# KiCad board NoU2-panelized.kicad_pcb (continued)
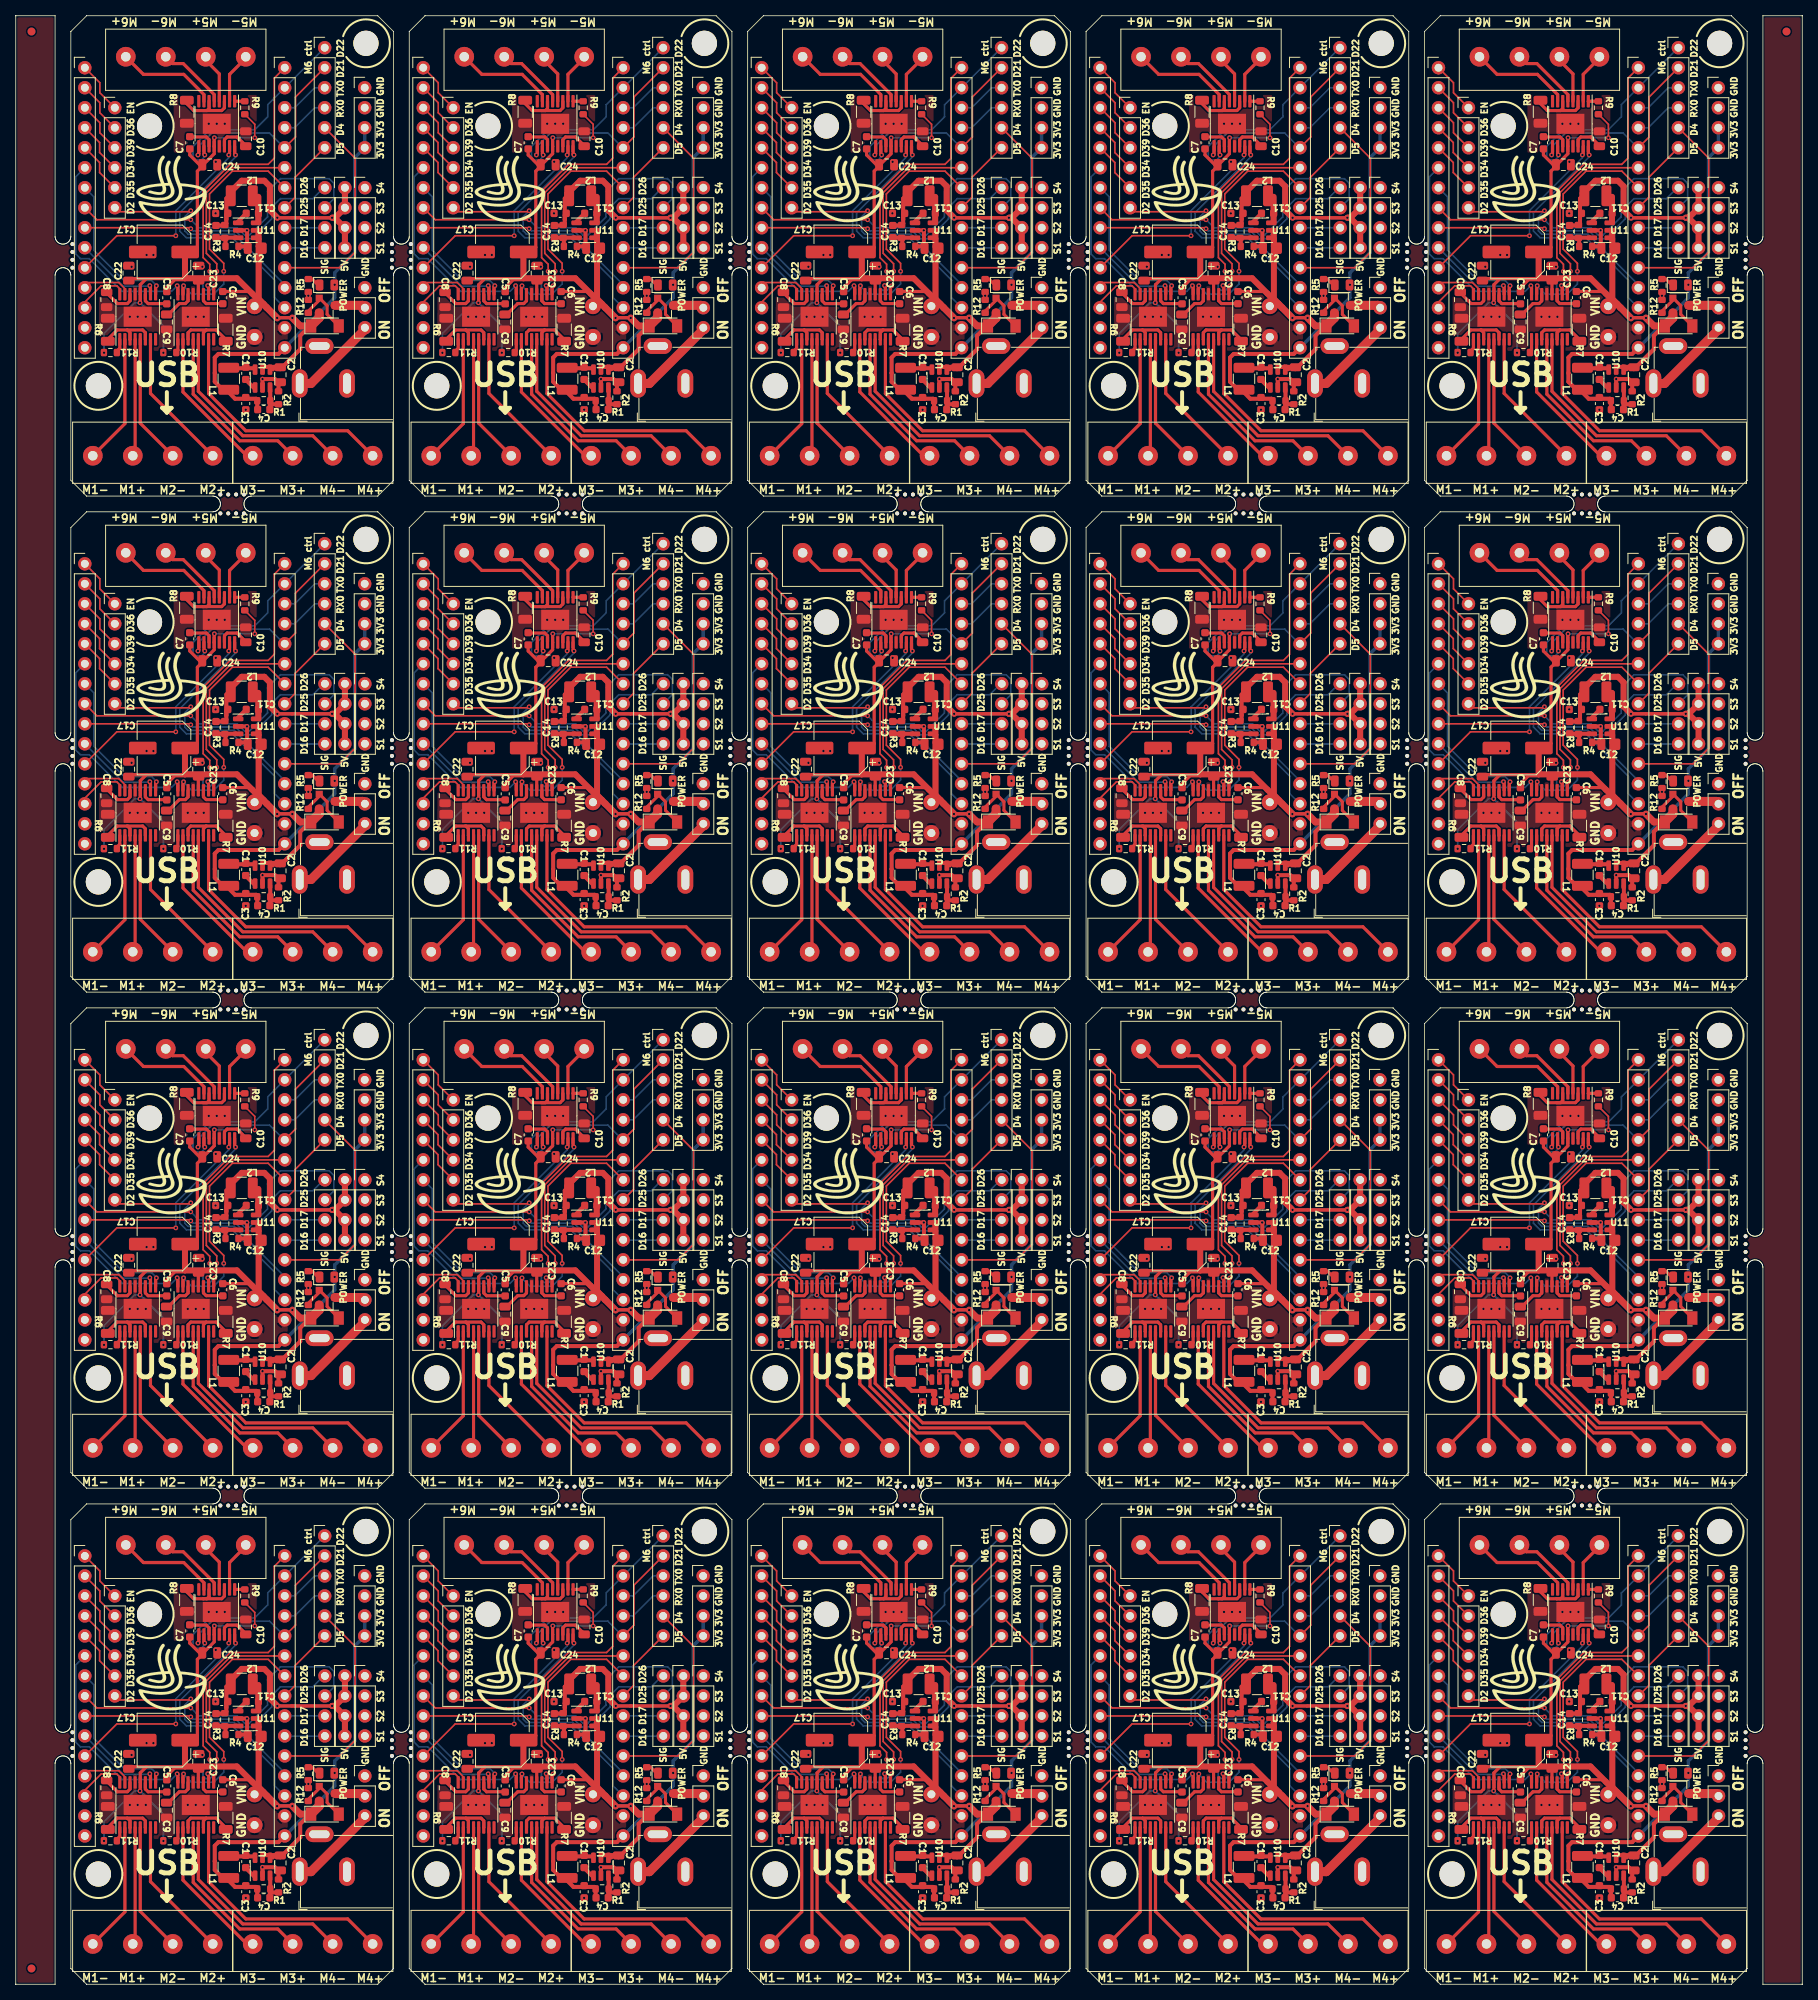
[diagram p0: board, top side]
## Nets (continued)
Board_12-unconnected-(U2-Pad8): U2#18.8
Board_12-unconnected-(U3-Pad8): U3#4.8
Board_12-unconnected-(U8-Pad1): U8#9.1
Board_12-VIN: C2#9.2 C5#5.1 C6#11.1 C7#5.1 C12#13.2 C17#16.1 C22#6.1 C23#17.1 C24#12.1 D2#2.1 J14#12.1 Q1#16.2 R9#7.2 R10#12.2 R11#19.2 U1#9.12 U2#18.12 U3#4.12 U10#19.4 U10#19.5 U11#10.4 U11#10.5
Board_13-3V3: C3#4.2 C4#11.2 D1#20.2 J3#4.3 J3#4.4 J11#5.15 L1#11.2 R1#7.1
Board_13-5V: C13#6.2 C14#11.2 J12#19.1 J12#19.2 J12#19.3 J12#19.4 L2#6.2 R3#9.1
Board_13-/D16: J2#6.4
Board_13-/D17: J2#6.3
Board_13-/D34: J4#3.4
Board_13-/D35: J4#3.5
Board_13-/D36: J4#3.2
Board_13-/D39: J4#3.3
Board_13-/EN: J4#3.1
Board_13-/Sheet6057E9B8/D16: J11#5.10
Board_13-/Sheet6057E9B8/D17: J11#5.9
Board_13-/Sheet6057E9B8/D34: J10#12.4
Board_13-/Sheet6057E9B8/D35: J10#12.5
Board_13-/Sheet6057E9B8/D36: J10#12.2
Board_13-/Sheet6057E9B8/D39: J10#12.3
Board_13-/Sheet6057E9B8/EN: J10#12.1
Board_13-/Sheet6057E9B8/EVIN: J10#12.15
Board_13-D2: J4#3.6 J11#5.12
Board_13-D4: J1.5 J11#5.11
Board_13-D5: J1.6 J11#5.8
Board_13-D25: J2#6.2 J10#12.8
Board_13-D26: J2#6.1 J10#12.9
Board_13-GND: C2#10.1 C3#4.1 C8#19.2 C9#4.2 C10#17.2 C12#2.1 C13#6.1 C17#4.2 C22#3.2 C23#18.2 C24#9.2 J3#4.1 J3#4.2 J5#13.1 J5#13.2 J5#13.3 J5#13.4 J9#12.2 J10#12.14 J11#5.14 J13#3.1 R2#9.2 R4#10.2 R5#19.1 R6#14.1 R7#14.1 R8#4.1 R12#13.2 U1#17.13 U1#17.17 U2#3.13 U2#3.17 U3#8.13 U3#8.17 U10#18.2 U11#7.2
Board_13-M1A: J10#12.13 U1#17.16
Board_13-M1B: J10#12.12 U1#17.15
Board_13-M2A: J10#12.10 U1#17.10
Board_13-M2B: J10#12.7 U1#17.9
Board_13-M3A: J10#12.6 U3#8.16
Board_13-M3B: J11#5.7 U3#8.15
Board_13-M4A: J11#5.6 U3#8.10
Board_13-M4B: J11#5.1 U3#8.9
Board_13-M5A: J11#5.13 U2#3.16
Board_13-M5B: J10#12.11 U2#3.15
Board_13-M6A: J1.1 J11#5.2 U2#3.10
Board_13-M6B: J1.2 J11#5.5 U2#3.9
Board_13-Net-(C1-Pad1): C1#14.1 L1#11.1 U10#18.6
Board_13-Net-(C1-Pad2): C1#14.2 U10#18.1
Board_13-Net-(C4-Pad1): C4#11.1 R1#7.2 R2#9.1 U10#18.3
Board_13-Net-(C5-Pad2): C5.2 U1#17.11
Board_13-Net-(C6-Pad2): C6#5.2 U3#8.11
Board_13-Net-(C7-Pad2): C7#3.2 U2#3.11
Board_13-Net-(C8-Pad1): C8#19.1 U1#17.14
Board_13-Net-(C9-Pad1): C9#4.1 U3#8.14
Board_13-Net-(C10-Pad1): C10#17.1 U2#3.14
Board_13-Net-(C11-Pad1): C11.1 L2#6.1 U11#7.6
Board_13-Net-(C11-Pad2): C11.2 U11#7.1
Board_13-Net-(C14-Pad1): C14#11.1 R3#9.2 R4#10.1 U11#7.3
Board_13-Net-(D1-Pad1): D1#20.1 R5#19.2
Board_13-Net-(D2-Pad2): D2#14.2 Q1#6.1 R12#13.1
Board_13-Net-(J6-Pad1): J6#4.1 U1#17.2
Board_13-Net-(J6-Pad2): J6#4.2 U1#17.4
Board_13-Net-(J6-Pad3): J6#4.3 U1#17.5
Board_13-Net-(J6-Pad4): J6#4.4 U1#17.7
Board_13-Net-(J7-Pad1): J7#16.1 U3#8.2
Board_13-Net-(J7-Pad2): J7#16.2 U3#8.4
Board_13-Net-(J7-Pad3): J7#16.3 U3#8.5
Board_13-Net-(J7-Pad4): J7#16.4 U3#8.7
Board_13-Net-(J8-Pad1): J8#11.1 U2#3.2
Board_13-Net-(J8-Pad2): J8#11.2 U2#3.4
Board_13-Net-(J8-Pad3): J8#11.3 U2#3.5
Board_13-Net-(J8-Pad4): J8#11.4 U2#3.7
Board_13-Net-(J9-Pad1): J9#12.1 U8#13.3
Board_13-Net-(Q1-Pad3): Q1#6.3 U8#13.2
Board_13-Net-(R6-Pad2): R6#14.2 U1#17.3 U1#17.6
Board_13-Net-(R7-Pad2): R7#14.2 U3#8.3 U3#8.6
Board_13-Net-(R8-Pad2): R8#4.2 U2#3.3 U2#3.6
Board_13-Net-(R9-Pad1): R9#15.1 U2#3.1
Board_13-Net-(R10-Pad1): R10#2.1 U3#8.1
Board_13-Net-(R11-Pad1): R11#8.1 U1#17.1
Board_13-RX0: J1.4 J11#5.4
Board_13-TX0: J1.3 J11#5.3
Board_13-unconnected-(U1-Pad8): U1#17.8
Board_13-unconnected-(U2-Pad8): U2#3.8
Board_13-unconnected-(U3-Pad8): U3#8.8
Board_13-unconnected-(U8-Pad1): U8#13.1
Board_13-VIN: C2#10.2 C5.1 C6#5.1 C7#3.1 C12#2.2 C17#4.1 C22#3.1 C23#18.1 C24#9.1 D2#14.1 J14#18.1 Q1#6.2 R9#15.2 R10#2.2 R11#8.2 U1#17.12 U2#3.12 U3#8.12 U10#18.4 U10#18.5 U11#7.4 U11#7.5
Board_14-3V3: C3#6.2 C4.2 D1#19.2 J3#16.3 J3#16.4 J11#16.15 L1.2 R1#12.1
Board_14-5V: C13#8.2 C14#12.2 J12#15.1 J12#15.2 J12#15.3 J12#15.4 L2#19.2 R3#20.1
Board_14-/D16: J2#2.4
Board_14-/D17: J2#2.3
Board_14-/D34: J4#12.4
Board_14-/D35: J4#12.5
Board_14-/D36: J4#12.2
Board_14-/D39: J4#12.3
Board_14-/EN: J4#12.1
Board_14-/Sheet6057E9B8/D16: J11#16.10
Board_14-/Sheet6057E9B8/D17: J11#16.9
Board_14-/Sheet6057E9B8/D34: J10#2.4
Board_14-/Sheet6057E9B8/D35: J10#2.5
Board_14-/Sheet6057E9B8/D36: J10#2.2
Board_14-/Sheet6057E9B8/D39: J10#2.3
Board_14-/Sheet6057E9B8/EN: J10#2.1
Board_14-/Sheet6057E9B8/EVIN: J10#2.15
Board_14-D2: J4#12.6 J11#16.12
Board_14-D4: J1#9.5 J11#16.11
Board_14-D5: J1#9.6 J11#16.8
Board_14-D25: J2#2.2 J10#2.8
Board_14-D26: J2#2.1 J10#2.9
Board_14-GND: C2#4.1 C3#6.1 C8#3.2 C9#20.2 C10#12.2 C12#19.1 C13#8.1 C17#20.2 C22#15.2 C23#16.2 C24#7.2 J3#16.1 J3#16.2 J5#17.1 J5#17.2 J5#17.3 J5#17.4 J9#13.2 J10#2.14 J11#16.14 J13#13.1 R2#15.2 R4#11.2 R5#14.1 R6#20.1 R7#13.1 R8#10.1 R12#9.2 U1#8.13 U1#8.17 U2#9.13 U2#9.17 U3#17.13 U3#17.17 U10#3.2 U11#14.2
Board_14-M1A: J10#2.13 U1#8.16
Board_14-M1B: J10#2.12 U1#8.15
Board_14-M2A: J10#2.10 U1#8.10
Board_14-M2B: J10#2.7 U1#8.9
Board_14-M3A: J10#2.6 U3#17.16
Board_14-M3B: J11#16.7 U3#17.15
Board_14-M4A: J11#16.6 U3#17.10
Board_14-M4B: J11#16.1 U3#17.9
Board_14-M5A: J11#16.13 U2#9.16
Board_14-M5B: J10#2.11 U2#9.15
Board_14-M6A: J1#9.1 J11#16.2 U2#9.10
Board_14-M6B: J1#9.2 J11#16.5 U2#9.9
Board_14-Net-(C1-Pad1): C1#6.1 L1.1 U10#3.6
Board_14-Net-(C1-Pad2): C1#6.2 U10#3.1
Board_14-Net-(C4-Pad1): C4.1 R1#12.2 R2#15.1 U10#3.3
Board_14-Net-(C5-Pad2): C5#17.2 U1#8.11
Board_14-Net-(C6-Pad2): C6#2.2 U3#17.11
Board_14-Net-(C7-Pad2): C7#8.2 U2#9.11
Board_14-Net-(C8-Pad1): C8#3.1 U1#8.14
Board_14-Net-(C9-Pad1): C9#20.1 U3#17.14
Board_14-Net-(C10-Pad1): C10#12.1 U2#9.14
Board_14-Net-(C11-Pad1): C11#6.1 L2#19.1 U11#14.6
Board_14-Net-(C11-Pad2): C11#6.2 U11#14.1
Board_14-Net-(C14-Pad1): C14#12.1 R3#20.2 R4#11.1 U11#14.3
Board_14-Net-(D1-Pad1): D1#19.1 R5#14.2
Board_14-Net-(D2-Pad2): D2#7.2 Q1#8.1 R12#9.1
Board_14-Net-(J6-Pad1): J6#3.1 U1#8.2
Board_14-Net-(J6-Pad2): J6#3.2 U1#8.4
Board_14-Net-(J6-Pad3): J6#3.3 U1#8.5
Board_14-Net-(J6-Pad4): J6#3.4 U1#8.7
Board_14-Net-(J7-Pad1): J7#14.1 U3#17.2
Board_14-Net-(J7-Pad2): J7#14.2 U3#17.4
Board_14-Net-(J7-Pad3): J7#14.3 U3#17.5
Board_14-Net-(J7-Pad4): J7#14.4 U3#17.7
Board_14-Net-(J8-Pad1): J8#13.1 U2#9.2
Board_14-Net-(J8-Pad2): J8#13.2 U2#9.4
Board_14-Net-(J8-Pad3): J8#13.3 U2#9.5
Board_14-Net-(J8-Pad4): J8#13.4 U2#9.7
Board_14-Net-(J9-Pad1): J9#13.1 U8#5.3
Board_14-Net-(Q1-Pad3): Q1#8.3 U8#5.2
Board_14-Net-(R6-Pad2): R6#20.2 U1#8.3 U1#8.6
Board_14-Net-(R7-Pad2): R7#13.2 U3#17.3 U3#17.6
Board_14-Net-(R8-Pad2): R8#10.2 U2#9.3 U2#9.6
Board_14-Net-(R9-Pad1): R9#20.1 U2#9.1
Board_14-Net-(R10-Pad1): R10#9.1 U3#17.1
Board_14-Net-(R11-Pad1): R11#13.1 U1#8.1
Board_14-RX0: J1#9.4 J11#16.4
Board_14-TX0: J1#9.3 J11#16.3
Board_14-unconnected-(U1-Pad8): U1#8.8
Board_14-unconnected-(U2-Pad8): U2#9.8
Board_14-unconnected-(U3-Pad8): U3#17.8
Board_14-unconnected-(U8-Pad1): U8#5.1
Board_14-VIN: C2#4.2 C5#17.1 C6#2.1 C7#8.1 C12#19.2 C17#20.1 C22#15.1 C23#16.1 C24#7.1 D2#7.1 J14#5.1 Q1#8.2 R9#20.2 R10#9.2 R11#13.2 U1#8.12 U2#9.12 U3#17.12 U10#3.4 U10#3.5 U11#14.4 U11#14.5
Board_15-3V3: C3#20.2 C4#10.2 D1#13.2 J3#8.3 J3#8.4 J11#10.15 L1#10.2 R1#10.1
Board_15-5V: C13#9.2 C14#5.2 J12#14.1 J12#14.2 J12#14.3 J12#14.4 L2#13.2 R3#16.1
Board_15-/D16: J2.4
Board_15-/D17: J2.3
Board_15-/D34: J4#14.4
Board_15-/D35: J4#14.5
Board_15-/D36: J4#14.2
Board_15-/D39: J4#14.3
Board_15-/EN: J4#14.1
Board_15-/Sheet6057E9B8/D16: J11#10.10
Board_15-/Sheet6057E9B8/D17: J11#10.9
Board_15-/Sheet6057E9B8/D34: J10#13.4
Board_15-/Sheet6057E9B8/D35: J10#13.5
Board_15-/Sheet6057E9B8/D36: J10#13.2
Board_15-/Sheet6057E9B8/D39: J10#13.3
Board_15-/Sheet6057E9B8/EN: J10#13.1
Board_15-/Sheet6057E9B8/EVIN: J10#13.15
Board_15-D2: J4#14.6 J11#10.12
Board_15-D4: J1#8.5 J11#10.11
Board_15-D5: J1#8.6 J11#10.8
Board_15-D25: J2.2 J10#13.8
Board_15-D26: J2.1 J10#13.9
Board_15-GND: C2#17.1 C3#20.1 C8#11.2 C9#5.2 C10#11.2 C12#5.1 C13#9.1 C17#10.2 C22#17.2 C23#3.2 C24#4.2 J3#8.1 J3#8.2 J5#14.1 J5#14.2 J5#14.3 J5#14.4 J9#19.2 J10#13.14 J11#10.14 J13#14.1 R2#6.2 R4.2 R5.1 R6#5.1 R7#5.1 R8#3.1 R12#14.2 U1#5.13 U1#5.17 U2#17.13 U2#17.17 U3.13 U3.17 U10#20.2 U11#4.2
Board_15-M1A: J10#13.13 U1#5.16
Board_15-M1B: J10#13.12 U1#5.15
Board_15-M2A: J10#13.10 U1#5.10
Board_15-M2B: J10#13.7 U1#5.9
Board_15-M3A: J10#13.6 U3.16
Board_15-M3B: J11#10.7 U3.15
Board_15-M4A: J11#10.6 U3.10
Board_15-M4B: J11#10.1 U3.9
Board_15-M5A: J11#10.13 U2#17.16
Board_15-M5B: J10#13.11 U2#17.15
Board_15-M6A: J1#8.1 J11#10.2 U2#17.10
Board_15-M6B: J1#8.2 J11#10.5 U2#17.9
Board_15-Net-(C1-Pad1): C1#8.1 L1#10.1 U10#20.6
Board_15-Net-(C1-Pad2): C1#8.2 U10#20.1
Board_15-Net-(C4-Pad1): C4#10.1 R1#10.2 R2#6.1 U10#20.3
Board_15-Net-(C5-Pad2): C5#13.2 U1#5.11
Board_15-Net-(C6-Pad2): C6#19.2 U3.11
Board_15-Net-(C7-Pad2): C7#7.2 U2#17.11
Board_15-Net-(C8-Pad1): C8#11.1 U1#5.14
Board_15-Net-(C9-Pad1): C9#5.1 U3.14
Board_15-Net-(C10-Pad1): C10#11.1 U2#17.14
Board_15-Net-(C11-Pad1): C11#7.1 L2#13.1 U11#4.6
Board_15-Net-(C11-Pad2): C11#7.2 U11#4.1
Board_15-Net-(C14-Pad1): C14#5.1 R3#16.2 R4.1 U11#4.3
Board_15-Net-(D1-Pad1): D1#13.1 R5.2
Board_15-Net-(D2-Pad2): D2#6.2 Q1#17.1 R12#14.1
Board_15-Net-(J6-Pad1): J6#13.1 U1#5.2
Board_15-Net-(J6-Pad2): J6#13.2 U1#5.4
Board_15-Net-(J6-Pad3): J6#13.3 U1#5.5
Board_15-Net-(J6-Pad4): J6#13.4 U1#5.7
Board_15-Net-(J7-Pad1): J7.1 U3.2
Board_15-Net-(J7-Pad2): J7.2 U3.4
Board_15-Net-(J7-Pad3): J7.3 U3.5
Board_15-Net-(J7-Pad4): J7.4 U3.7
Board_15-Net-(J8-Pad1): J8#5.1 U2#17.2
Board_15-Net-(J8-Pad2): J8#5.2 U2#17.4
Board_15-Net-(J8-Pad3): J8#5.3 U2#17.5
Board_15-Net-(J8-Pad4): J8#5.4 U2#17.7
Board_15-Net-(J9-Pad1): J9#19.1 U8#20.3
Board_15-Net-(Q1-Pad3): Q1#17.3 U8#20.2
Board_15-Net-(R6-Pad2): R6#5.2 U1#5.3 U1#5.6
Board_15-Net-(R7-Pad2): R7#5.2 U3.3 U3.6
Board_15-Net-(R8-Pad2): R8#3.2 U2#17.3 U2#17.6
Board_15-Net-(R9-Pad1): R9#14.1 U2#17.1
Board_15-Net-(R10-Pad1): R10#20.1 U3.1
Board_15-Net-(R11-Pad1): R11#10.1 U1#5.1
Board_15-RX0: J1#8.4 J11#10.4
Board_15-TX0: J1#8.3 J11#10.3
Board_15-unconnected-(U1-Pad8): U1#5.8
Board_15-unconnected-(U2-Pad8): U2#17.8
Board_15-unconnected-(U3-Pad8): U3.8
Board_15-unconnected-(U8-Pad1): U8#20.1
Board_15-VIN: C2#17.2 C5#13.1 C6#19.1 C7#7.1 C12#5.2 C17#10.1 C22#17.1 C23#3.1 C24#4.1 D2#6.1 J14#14.1 Q1#17.2 R9#14.2 R10#20.2 R11#10.2 U1#5.12 U2#17.12 U3.12 U10#20.4 U10#20.5 U11#4.4 U11#4.5
Board_16-3V3: C3#5.2 C4#8.2 D1#4.2 J3#19.3 J3#19.4 J11#20.15 L1#13.2 R1#2.1
Board_16-5V: C13#15.2 C14#20.2 J12#12.1 J12#12.2 J12#12.3 J12#12.4 L2#18.2 R3#3.1
Board_16-/D16: J2#17.4
Board_16-/D17: J2#17.3
Board_16-/D34: J4#10.4
Board_16-/D35: J4#10.5
Board_16-/D36: J4#10.2
Board_16-/D39: J4#10.3
Board_16-/EN: J4#10.1
Board_16-/Sheet6057E9B8/D16: J11#20.10
Board_16-/Sheet6057E9B8/D17: J11#20.9
Board_16-/Sheet6057E9B8/D34: J10#19.4
Board_16-/Sheet6057E9B8/D35: J10#19.5
Board_16-/Sheet6057E9B8/D36: J10#19.2
Board_16-/Sheet6057E9B8/D39: J10#19.3
Board_16-/Sheet6057E9B8/EN: J10#19.1
Board_16-/Sheet6057E9B8/EVIN: J10#19.15
Board_16-D2: J4#10.6 J11#20.12
Board_16-D4: J1#15.5 J11#20.11
Board_16-D5: J1#15.6 J11#20.8
Board_16-D25: J2#17.2 J10#19.8
Board_16-D26: J2#17.1 J10#19.9
Board_16-GND: C2#5.1 C3#5.1 C8.2 C9#9.2 C10#9.2 C12#14.1 C13#15.1 C17#9.2 C22#11.2 C23#13.2 C24#13.2 J3#19.1 J3#19.2 J5#6.1 J5#6.2 J5#6.3 J5#6.4 J9#4.2 J10#19.14 J11#20.14 J13#11.1 R2#14.2 R4#19.2 R5#8.1 R6#2.1 R7#11.1 R8#20.1 R12#3.2 U1#19.13 U1#19.17 U2.13 U2.17 U3#7.13 U3#7.17 U10#12.2 U11#13.2
Board_16-M1A: J10#19.13 U1#19.16
Board_16-M1B: J10#19.12 U1#19.15
Board_16-M2A: J10#19.10 U1#19.10
Board_16-M2B: J10#19.7 U1#19.9
Board_16-M3A: J10#19.6 U3#7.16
Board_16-M3B: J11#20.7 U3#7.15
Board_16-M4A: J11#20.6 U3#7.10
Board_16-M4B: J11#20.1 U3#7.9
Board_16-M5A: J11#20.13 U2.16
Board_16-M5B: J10#19.11 U2.15
Board_16-M6A: J1#15.1 J11#20.2 U2.10
Board_16-M6B: J1#15.2 J11#20.5 U2.9
Board_16-Net-(C1-Pad1): C1#9.1 L1#13.1 U10#12.6
Board_16-Net-(C1-Pad2): C1#9.2 U10#12.1
Board_16-Net-(C4-Pad1): C4#8.1 R1#2.2 R2#14.1 U10#12.3
Board_16-Net-(C5-Pad2): C5#15.2 U1#19.11
Board_16-Net-(C6-Pad2): C6#18.2 U3#7.11
Board_16-Net-(C7-Pad2): C7#2.2 U2.11
Board_16-Net-(C8-Pad1): C8.1 U1#19.14
Board_16-Net-(C9-Pad1): C9#9.1 U3#7.14
Board_16-Net-(C10-Pad1): C10#9.1 U2.14
Board_16-Net-(C11-Pad1): C11#8.1 L2#18.1 U11#13.6
Board_16-Net-(C11-Pad2): C11#8.2 U11#13.1
Board_16-Net-(C14-Pad1): C14#20.1 R3#3.2 R4#19.1 U11#13.3
Board_16-Net-(D1-Pad1): D1#4.1 R5#8.2
Board_16-Net-(D2-Pad2): D2#16.2 Q1#19.1 R12#3.1
Board_16-Net-(J6-Pad1): J6#7.1 U1#19.2
Board_16-Net-(J6-Pad2): J6#7.2 U1#19.4
Board_16-Net-(J6-Pad3): J6#7.3 U1#19.5
Board_16-Net-(J6-Pad4): J6#7.4 U1#19.7
Board_16-Net-(J7-Pad1): J7#2.1 U3#7.2
Board_16-Net-(J7-Pad2): J7#2.2 U3#7.4
Board_16-Net-(J7-Pad3): J7#2.3 U3#7.5
Board_16-Net-(J7-Pad4): J7#2.4 U3#7.7
Board_16-Net-(J8-Pad1): J8#20.1 U2.2
Board_16-Net-(J8-Pad2): J8#20.2 U2.4
Board_16-Net-(J8-Pad3): J8#20.3 U2.5
Board_16-Net-(J8-Pad4): J8#20.4 U2.7
Board_16-Net-(J9-Pad1): J9#4.1 U8#14.3
Board_16-Net-(Q1-Pad3): Q1#19.3 U8#14.2
Board_16-Net-(R6-Pad2): R6#2.2 U1#19.3 U1#19.6
Board_16-Net-(R7-Pad2): R7#11.2 U3#7.3 U3#7.6
Board_16-Net-(R8-Pad2): R8#20.2 U2.3 U2.6
Board_16-Net-(R9-Pad1): R9#11.1 U2.1
Board_16-Net-(R10-Pad1): R10#7.1 U3#7.1
Board_16-Net-(R11-Pad1): R11#4.1 U1#19.1
Board_16-RX0: J1#15.4 J11#20.4
Board_16-TX0: J1#15.3 J11#20.3
Board_16-unconnected-(U1-Pad8): U1#19.8
Board_16-unconnected-(U2-Pad8): U2.8
Board_16-unconnected-(U3-Pad8): U3#7.8
Board_16-unconnected-(U8-Pad1): U8#14.1
Board_16-VIN: C2#5.2 C5#15.1 C6#18.1 C7#2.1 C12#14.2 C17#9.1 C22#11.1 C23#13.1 C24#13.1 D2#16.1 J14#16.1 Q1#19.2 R9#11.2 R10#7.2 R11#4.2 U1#19.12 U2.12 U3#7.12 U10#12.4 U10#12.5 U11#13.4 U11#13.5
Board_17-3V3: C3#17.2 C4#7.2 D1#2.2 J3#11.3 J3#11.4 J11#3.15 L1#16.2 R1#9.1
Board_17-5V: C13#4.2 C14#17.2 J12#17.1 J12#17.2 J12#17.3 J12#17.4 L2#8.2 R3#10.1
Board_17-/D16: J2#19.4
Board_17-/D17: J2#19.3
Board_17-/D34: J4#16.4
Board_17-/D35: J4#16.5
Board_17-/D36: J4#16.2
Board_17-/D39: J4#16.3
Board_17-/EN: J4#16.1
Board_17-/Sheet6057E9B8/D16: J11#3.10
Board_17-/Sheet6057E9B8/D17: J11#3.9
Board_17-/Sheet6057E9B8/D34: J10#14.4
Board_17-/Sheet6057E9B8/D35: J10#14.5
Board_17-/Sheet6057E9B8/D36: J10#14.2
Board_17-/Sheet6057E9B8/D39: J10#14.3
Board_17-/Sheet6057E9B8/EN: J10#14.1
Board_17-/Sheet6057E9B8/EVIN: J10#14.15
Board_17-D2: J4#16.6 J11#3.12
Board_17-D4: J1#19.5 J11#3.11
Board_17-D5: J1#19.6 J11#3.8
Board_17-D25: J2#19.2 J10#14.8
Board_17-D26: J2#19.1 J10#14.9
Board_17-GND: C2#16.1 C3#17.1 C8#5.2 C9#19.2 C10#15.2 C12#20.1 C13#4.1 C17#13.2 C22#8.2 C23#6.2 C24#16.2 J3#11.1 J3#11.2 J5#8.1 J5#8.2 J5#8.3 J5#8.4 J9#20.2 J10#14.14 J11#3.14 J13#19.1 R2#5.2 R4#9.2 R5#12.1 R6#17.1 R7#12.1 R8#13.1 R12#15.2 U1#15.13 U1#15.17 U2#11.13 U2#11.17 U3#6.13 U3#6.17 U10#7.2 U11#12.2
Board_17-M1A: J10#14.13 U1#15.16
Board_17-M1B: J10#14.12 U1#15.15
Board_17-M2A: J10#14.10 U1#15.10
Board_17-M2B: J10#14.7 U1#15.9
Board_17-M3A: J10#14.6 U3#6.16
Board_17-M3B: J11#3.7 U3#6.15
Board_17-M4A: J11#3.6 U3#6.10
Board_17-M4B: J11#3.1 U3#6.9
Board_17-M5A: J11#3.13 U2#11.16
Board_17-M5B: J10#14.11 U2#11.15
Board_17-M6A: J1#19.1 J11#3.2 U2#11.10
Board_17-M6B: J1#19.2 J11#3.5 U2#11.9
Board_17-Net-(C1-Pad1): C1#10.1 L1#16.1 U10#7.6
Board_17-Net-(C1-Pad2): C1#10.2 U10#7.1
Board_17-Net-(C4-Pad1): C4#7.1 R1#9.2 R2#5.1 U10#7.3
Board_17-Net-(C5-Pad2): C5#2.2 U1#15.11
Board_17-Net-(C6-Pad2): C6#3.2 U3#6.11
Board_17-Net-(C7-Pad2): C7#15.2 U2#11.11
Board_17-Net-(C8-Pad1): C8#5.1 U1#15.14
Board_17-Net-(C9-Pad1): C9#19.1 U3#6.14
Board_17-Net-(C10-Pad1): C10#15.1 U2#11.14
Board_17-Net-(C11-Pad1): C11#10.1 L2#8.1 U11#12.6
Board_17-Net-(C11-Pad2): C11#10.2 U11#12.1
Board_17-Net-(C14-Pad1): C14#17.1 R3#10.2 R4#9.1 U11#12.3
Board_17-Net-(D1-Pad1): D1#2.1 R5#12.2
Board_17-Net-(D2-Pad2): D2#13.2 Q1#4.1 R12#15.1
Board_17-Net-(J6-Pad1): J6#16.1 U1#15.2
Board_17-Net-(J6-Pad2): J6#16.2 U1#15.4
Board_17-Net-(J6-Pad3): J6#16.3 U1#15.5
Board_17-Net-(J6-Pad4): J6#16.4 U1#15.7
Board_17-Net-(J7-Pad1): J7#8.1 U3#6.2
Board_17-Net-(J7-Pad2): J7#8.2 U3#6.4
Board_17-Net-(J7-Pad3): J7#8.3 U3#6.5
Board_17-Net-(J7-Pad4): J7#8.4 U3#6.7
Board_17-Net-(J8-Pad1): J8#19.1 U2#11.2
Board_17-Net-(J8-Pad2): J8#19.2 U2#11.4
Board_17-Net-(J8-Pad3): J8#19.3 U2#11.5
Board_17-Net-(J8-Pad4): J8#19.4 U2#11.7
Board_17-Net-(J9-Pad1): J9#20.1 U8#6.3
Board_17-Net-(Q1-Pad3): Q1#4.3 U8#6.2
Board_17-Net-(R6-Pad2): R6#17.2 U1#15.3 U1#15.6
Board_17-Net-(R7-Pad2): R7#12.2 U3#6.3 U3#6.6
Board_17-Net-(R8-Pad2): R8#13.2 U2#11.3 U2#11.6
Board_17-Net-(R9-Pad1): R9#2.1 U2#11.1
Board_17-Net-(R10-Pad1): R10#19.1 U3#6.1
Board_17-Net-(R11-Pad1): R11#20.1 U1#15.1
Board_17-RX0: J1#19.4 J11#3.4
Board_17-TX0: J1#19.3 J11#3.3
Board_17-unconnected-(U1-Pad8): U1#15.8
Board_17-unconnected-(U2-Pad8): U2#11.8
Board_17-unconnected-(U3-Pad8): U3#6.8
Board_17-unconnected-(U8-Pad1): U8#6.1
Board_17-VIN: C2#16.2 C5#2.1 C6#3.1 C7#15.1 C12#20.2 C17#13.1 C22#8.1 C23#6.1 C24#16.1 D2#13.1 J14#2.1 Q1#4.2 R9#2.2 R10#19.2 R11#20.2 U1#15.12 U2#11.12 U3#6.12 U10#7.4 U10#7.5 U11#12.4 U11#12.5
Board_18-3V3: C3#16.2 C4#4.2 D1#6.2 J3#7.3 J3#7.4 J11#18.15 L1#2.2 R1#14.1
Board_18-5V: C13#12.2 C14#8.2 J12#4.1 J12#4.2 J12#4.3 J12#4.4 L2#9.2 R3#7.1
Board_18-/D16: J2#8.4
Board_18-/D17: J2#8.3
Board_18-/D34: J4#2.4
Board_18-/D35: J4#2.5
Board_18-/D36: J4#2.2
Board_18-/D39: J4#2.3
Board_18-/EN: J4#2.1
Board_18-/Sheet6057E9B8/D16: J11#18.10
Board_18-/Sheet6057E9B8/D17: J11#18.9
Board_18-/Sheet6057E9B8/D34: J10#8.4
Board_18-/Sheet6057E9B8/D35: J10#8.5
Board_18-/Sheet6057E9B8/D36: J10#8.2
Board_18-/Sheet6057E9B8/D39: J10#8.3
Board_18-/Sheet6057E9B8/EN: J10#8.1
Board_18-/Sheet6057E9B8/EVIN: J10#8.15
Board_18-D2: J4#2.6 J11#18.12
Board_18-D4: J1#6.5 J11#18.11
Board_18-D5: J1#6.6 J11#18.8
Board_18-D25: J2#8.2 J10#8.8
Board_18-D26: J2#8.1 J10#8.9
Board_18-GND: C2#20.1 C3#16.1 C8#6.2 C9#15.2 C10#10.2 C12#18.1 C13#12.1 C17#15.2 C22#18.2 C23#8.2 C24#20.2 J3#7.1 J3#7.2 J5#19.1 J5#19.2 J5#19.3 J5#19.4 J9#7.2 J10#8.14 J11#18.14 J13#6.1 R2#8.2 R4#15.2 R5#20.1 R6#6.1 R7.1 R8#12.1 R12#16.2 U1#14.13 U1#14.17 U2#16.13 U2#16.17 U3#10.13 U3#10.17 U10#14.2 U11#20.2
Board_18-M1A: J10#8.13 U1#14.16
Board_18-M1B: J10#8.12 U1#14.15
Board_18-M2A: J10#8.10 U1#14.10
Board_18-M2B: J10#8.7 U1#14.9
Board_18-M3A: J10#8.6 U3#10.16
Board_18-M3B: J11#18.7 U3#10.15
Board_18-M4A: J11#18.6 U3#10.10
Board_18-M4B: J11#18.1 U3#10.9
Board_18-M5A: J11#18.13 U2#16.16
Board_18-M5B: J10#8.11 U2#16.15
Board_18-M6A: J1#6.1 J11#18.2 U2#16.10
Board_18-M6B: J1#6.2 J11#18.5 U2#16.9
Board_18-Net-(C1-Pad1): C1#18.1 L1#2.1 U10#14.6
Board_18-Net-(C1-Pad2): C1#18.2 U10#14.1
Board_18-Net-(C4-Pad1): C4#4.1 R1#14.2 R2#8.1 U10#14.3
Board_18-Net-(C5-Pad2): C5#19.2 U1#14.11
Board_18-Net-(C6-Pad2): C6.2 U3#10.11
Board_18-Net-(C7-Pad2): C7#18.2 U2#16.11
Board_18-Net-(C8-Pad1): C8#6.1 U1#14.14
Board_18-Net-(C9-Pad1): C9#15.1 U3#10.14
Board_18-Net-(C10-Pad1): C10#10.1 U2#16.14
Board_18-Net-(C11-Pad1): C11#12.1 L2#9.1 U11#20.6
Board_18-Net-(C11-Pad2): C11#12.2 U11#20.1
Board_18-Net-(C14-Pad1): C14#8.1 R3#7.2 R4#15.1 U11#20.3
Board_18-Net-(D1-Pad1): D1#6.1 R5#20.2
Board_18-Net-(D2-Pad2): D2.2 Q1#9.1 R12#16.1
Board_18-Net-(J6-Pad1): J6#5.1 U1#14.2
Board_18-Net-(J6-Pad2): J6#5.2 U1#14.4
Board_18-Net-(J6-Pad3): J6#5.3 U1#14.5
Board_18-Net-(J6-Pad4): J6#5.4 U1#14.7
Board_18-Net-(J7-Pad1): J7#18.1 U3#10.2
Board_18-Net-(J7-Pad2): J7#18.2 U3#10.4
Board_18-Net-(J7-Pad3): J7#18.3 U3#10.5
Board_18-Net-(J7-Pad4): J7#18.4 U3#10.7
Board_18-Net-(J8-Pad1): J8#16.1 U2#16.2
Board_18-Net-(J8-Pad2): J8#16.2 U2#16.4
Board_18-Net-(J8-Pad3): J8#16.3 U2#16.5
Board_18-Net-(J8-Pad4): J8#16.4 U2#16.7
Board_18-Net-(J9-Pad1): J9#7.1 U8#12.3
Board_18-Net-(Q1-Pad3): Q1#9.3 U8#12.2
Board_18-Net-(R6-Pad2): R6#6.2 U1#14.3 U1#14.6
Board_18-Net-(R7-Pad2): R7.2 U3#10.3 U3#10.6
Board_18-Net-(R8-Pad2): R8#12.2 U2#16.3 U2#16.6
Board_18-Net-(R9-Pad1): R9#16.1 U2#16.1
Board_18-Net-(R10-Pad1): R10#5.1 U3#10.1
Board_18-Net-(R11-Pad1): R11#3.1 U1#14.1
Board_18-RX0: J1#6.4 J11#18.4
Board_18-TX0: J1#6.3 J11#18.3
Board_18-unconnected-(U1-Pad8): U1#14.8
Board_18-unconnected-(U2-Pad8): U2#16.8
Board_18-unconnected-(U3-Pad8): U3#10.8
Board_18-unconnected-(U8-Pad1): U8#12.1
Board_18-VIN: C2#20.2 C5#19.1 C6.1 C7#18.1 C12#18.2 C17#15.1 C22#18.1 C23#8.1 C24#20.1 D2.1 J14#19.1 Q1#9.2 R9#16.2 R10#5.2 R11#3.2 U1#14.12 U2#16.12 U3#10.12 U10#14.4 U10#14.5 U11#20.4 U11#20.5
Board_19-3V3: C3#12.2 C4#17.2 D1#5.2 J3#13.3 J3#13.4 J11#4.15 L1#15.2 R1#17.1
Board_19-5V: C13#20.2 C14#15.2 J12#3.1 J12#3.2 J12#3.3 J12#3.4 L2#10.2 R3#6.1
Board_19-/D16: J2#14.4
Board_19-/D17: J2#14.3
Board_19-/D34: J4#13.4
Board_19-/D35: J4#13.5
Board_19-/D36: J4#13.2
Board_19-/D39: J4#13.3
Board_19-/EN: J4#13.1
Board_19-/Sheet6057E9B8/D16: J11#4.10
Board_19-/Sheet6057E9B8/D17: J11#4.9
Board_19-/Sheet6057E9B8/D34: J10#7.4
Board_19-/Sheet6057E9B8/D35: J10#7.5
Board_19-/Sheet6057E9B8/D36: J10#7.2
Board_19-/Sheet6057E9B8/D39: J10#7.3
Board_19-/Sheet6057E9B8/EN: J10#7.1
Board_19-/Sheet6057E9B8/EVIN: J10#7.15
Board_19-D2: J4#13.6 J11#4.12
Board_19-D4: J1#7.5 J11#4.11
Board_19-D5: J1#7.6 J11#4.8
Board_19-D25: J2#14.2 J10#7.8
Board_19-D26: J2#14.1 J10#7.9
Board_19-GND: C2#3.1 C3#12.1 C8#15.2 C9#18.2 C10#3.2 C12#16.1 C13#20.1 C17#19.2 C22#9.2 C23#14.2 C24#15.2 J3#13.1 J3#13.2 J5#9.1 J5#9.2 J5#9.3 J5#9.4 J9.2 J10#7.14 J11#4.14 J13#20.1 R2#16.2 R4#7.2 R5#17.1 R6#12.1 R7#15.1 R8#6.1 R12#20.2 U1#2.13 U1#2.17 U2#15.13 U2#15.17 U3#20.13 U3#20.17 U10#11.2 U11#16.2
Board_19-M1A: J10#7.13 U1#2.16
Board_19-M1B: J10#7.12 U1#2.15
Board_19-M2A: J10#7.10 U1#2.10
Board_19-M2B: J10#7.7 U1#2.9
Board_19-M3A: J10#7.6 U3#20.16
Board_19-M3B: J11#4.7 U3#20.15
Board_19-M4A: J11#4.6 U3#20.10
Board_19-M4B: J11#4.1 U3#20.9
Board_19-M5A: J11#4.13 U2#15.16
Board_19-M5B: J10#7.11 U2#15.15
Board_19-M6A: J1#7.1 J11#4.2 U2#15.10
Board_19-M6B: J1#7.2 J11#4.5 U2#15.9
Board_19-Net-(C1-Pad1): C1#2.1 L1#15.1 U10#11.6
Board_19-Net-(C1-Pad2): C1#2.2 U10#11.1
Board_19-Net-(C4-Pad1): C4#17.1 R1#17.2 R2#16.1 U10#11.3
Board_19-Net-(C5-Pad2): C5#6.2 U1#2.11
Board_19-Net-(C6-Pad2): C6#15.2 U3#20.11
Board_19-Net-(C7-Pad2): C7.2 U2#15.11
Board_19-Net-(C8-Pad1): C8#15.1 U1#2.14
Board_19-Net-(C9-Pad1): C9#18.1 U3#20.14
Board_19-Net-(C10-Pad1): C10#3.1 U2#15.14
Board_19-Net-(C11-Pad1): C11#17.1 L2#10.1 U11#16.6
Board_19-Net-(C11-Pad2): C11#17.2 U11#16.1
Board_19-Net-(C14-Pad1): C14#15.1 R3#6.2 R4#7.1 U11#16.3
Board_19-Net-(D1-Pad1): D1#5.1 R5#17.2
Board_19-Net-(D2-Pad2): D2#8.2 Q1#5.1 R12#20.1
Board_19-Net-(J6-Pad1): J6#10.1 U1#2.2
Board_19-Net-(J6-Pad2): J6#10.2 U1#2.4
Board_19-Net-(J6-Pad3): J6#10.3 U1#2.5
Board_19-Net-(J6-Pad4): J6#10.4 U1#2.7
Board_19-Net-(J7-Pad1): J7#4.1 U3#20.2
Board_19-Net-(J7-Pad2): J7#4.2 U3#20.4
Board_19-Net-(J7-Pad3): J7#4.3 U3#20.5
Board_19-Net-(J7-Pad4): J7#4.4 U3#20.7
Board_19-Net-(J8-Pad1): J8#9.1 U2#15.2
Board_19-Net-(J8-Pad2): J8#9.2 U2#15.4
Board_19-Net-(J8-Pad3): J8#9.3 U2#15.5
Board_19-Net-(J8-Pad4): J8#9.4 U2#15.7
Board_19-Net-(J9-Pad1): J9.1 U8#11.3
Board_19-Net-(Q1-Pad3): Q1#5.3 U8#11.2
Board_19-Net-(R6-Pad2): R6#12.2 U1#2.3 U1#2.6
Board_19-Net-(R7-Pad2): R7#15.2 U3#20.3 U3#20.6
Board_19-Net-(R8-Pad2): R8#6.2 U2#15.3 U2#15.6
Board_19-Net-(R9-Pad1): R9#18.1 U2#15.1
Board_19-Net-(R10-Pad1): R10#10.1 U3#20.1
Board_19-Net-(R11-Pad1): R11#14.1 U1#2.1
Board_19-RX0: J1#7.4 J11#4.4
Board_19-TX0: J1#7.3 J11#4.3
Board_19-unconnected-(U1-Pad8): U1#2.8
Board_19-unconnected-(U2-Pad8): U2#15.8
Board_19-unconnected-(U3-Pad8): U3#20.8
Board_19-unconnected-(U8-Pad1): U8#11.1
Board_19-VIN: C2#3.2 C5#6.1 C6#15.1 C7.1 C12#16.2 C17#19.1 C22#9.1 C23#14.1 C24#15.1 D2#8.1 J14#6.1 Q1#5.2 R9#18.2 R10#10.2 R11#14.2 U1#2.12 U2#15.12 U3#20.12 U10#11.4 U10#11.5 U11#16.4 U11#16.5

Pads without a net: J9 3; J9#2 3; J9#3 3; J9#4 3; J9#5 3; J9#6 3; J9#7 3; J9#8 3; J9#9 3; J9#10 3; J9#11 3; J9#12 3; J9#13 3; J9#14 3; J9#15 3; J9#16 3; J9#17 3; J9#18 3; J9#19 3; J9#20 3

## Via types
v1: diameter 0.61, hole 0.305, Top to Bottom, 920 vias

## Routing (per net, layer and track width the routed paths; a pad name or vN(x,y) marks a point on that pad's centre or on a via; arc(x,y) is an arc through that point)
Board_0-3V3: length 53
  Top w0.508: 27.07,202.37 26.94,202.5 26.94,202.29 27.87,201.36 30.56,201.36 30.81,201.1 ; 30.81,200.04 30.86,199.99 ; 27.2,202.25 26.56,202.25 25.29,203.52 25.29,204.63 25.29,204.63 25.29,206.59 25.75,207.05 33.39,207.05 J11#7.15 ; R1#19.1 30.69,200.04
  Bottom w0.432: J11#7.15 40.53,214.19 v1(40.53,215.84) 40.53,217.36 43.09,219.92 43.09,231.99 J3#18.4 J3#18.3
Board_0-5V: length 40.3
  Top w0.432: v1(40.2,224.35) v1(33.24,224.35)
  Top w0.508: C14#19.2 26.5,223.37 R3#15.1 26.76,223.63 26.76,224.14 ; 27.11,227.14 26.76,226.79 26.76,224.14 ; 26.76,224.14 26.76,224.69 26.98,224.9 26.98,225.1
  Top w0.762: 41.82,220.51 41.82,223.05 40.53,224.35 v1(40.2,224.35) 40.58,224.35 41.82,225.59 J12#11.1 ; v1(33.24,224.35) 32.3,225.29 32.3,228.33 31.59,229.05 29.58,229.05 29.57,229.05 28.72,229.05 27.11,227.43 27.11,227.14
  Bottom w0.432: v1(33.24,224.35) v1(40.2,224.35)
Board_0-/Sheet6057E9B8/D16: length 5.1
  Top w0.203: 34.21,220.51 J11#7.10
  Bottom w0.203: 39.28,220.51 34.21,220.51
Board_0-/Sheet6057E9B8/D17: length 5.1
  Top w0.203: 39.25,223.08 39.28,223.05
  Bottom w0.203: J11#7.9 39.25,223.08
Board_0-/Sheet6057E9B8/D34: length 6.7
  Top w0.203: 12.59,230.7 10.66,232.63 10.66,233.9 J10#15.4
